# KiCad board processed.kicad_pcb
title: BMS slave Prototype; rev: 1
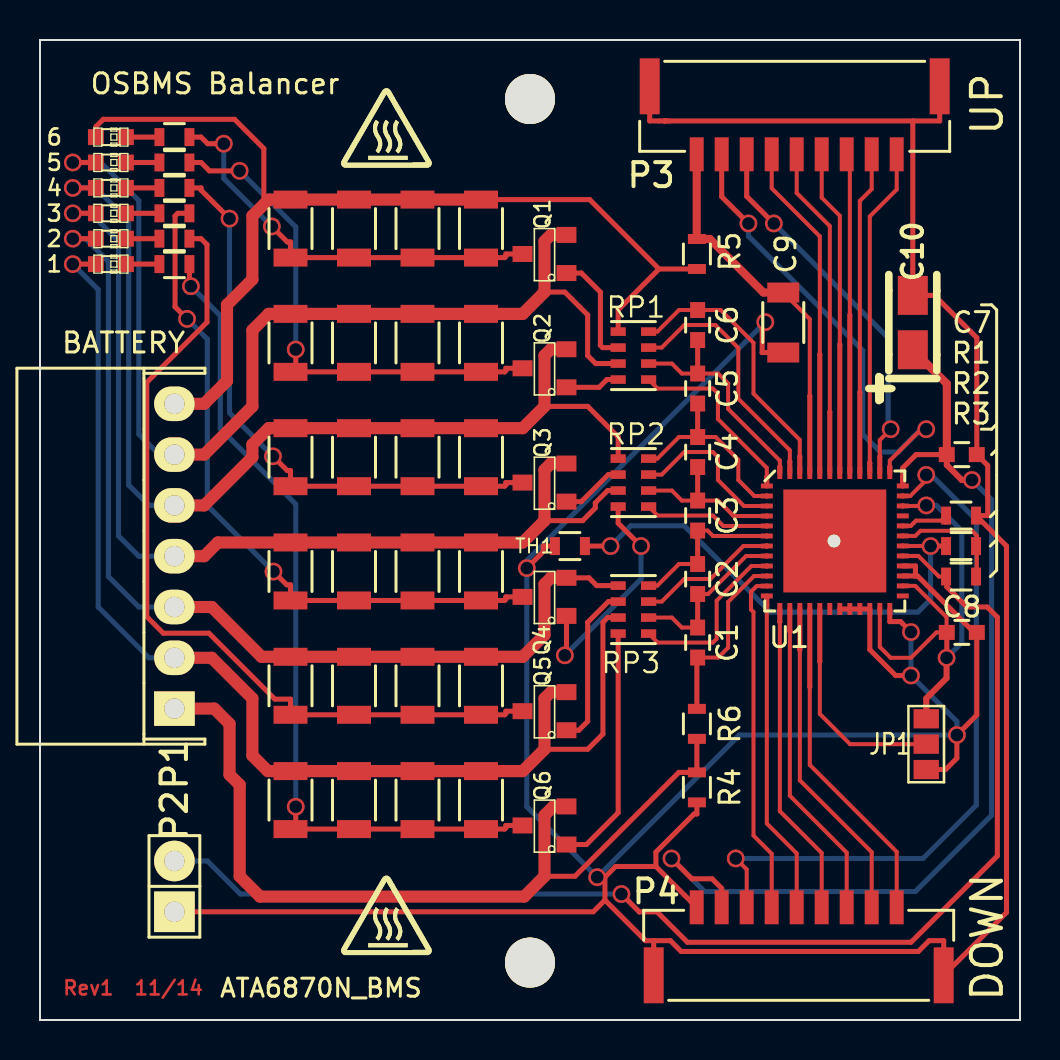
[diagram p0: board, top side]
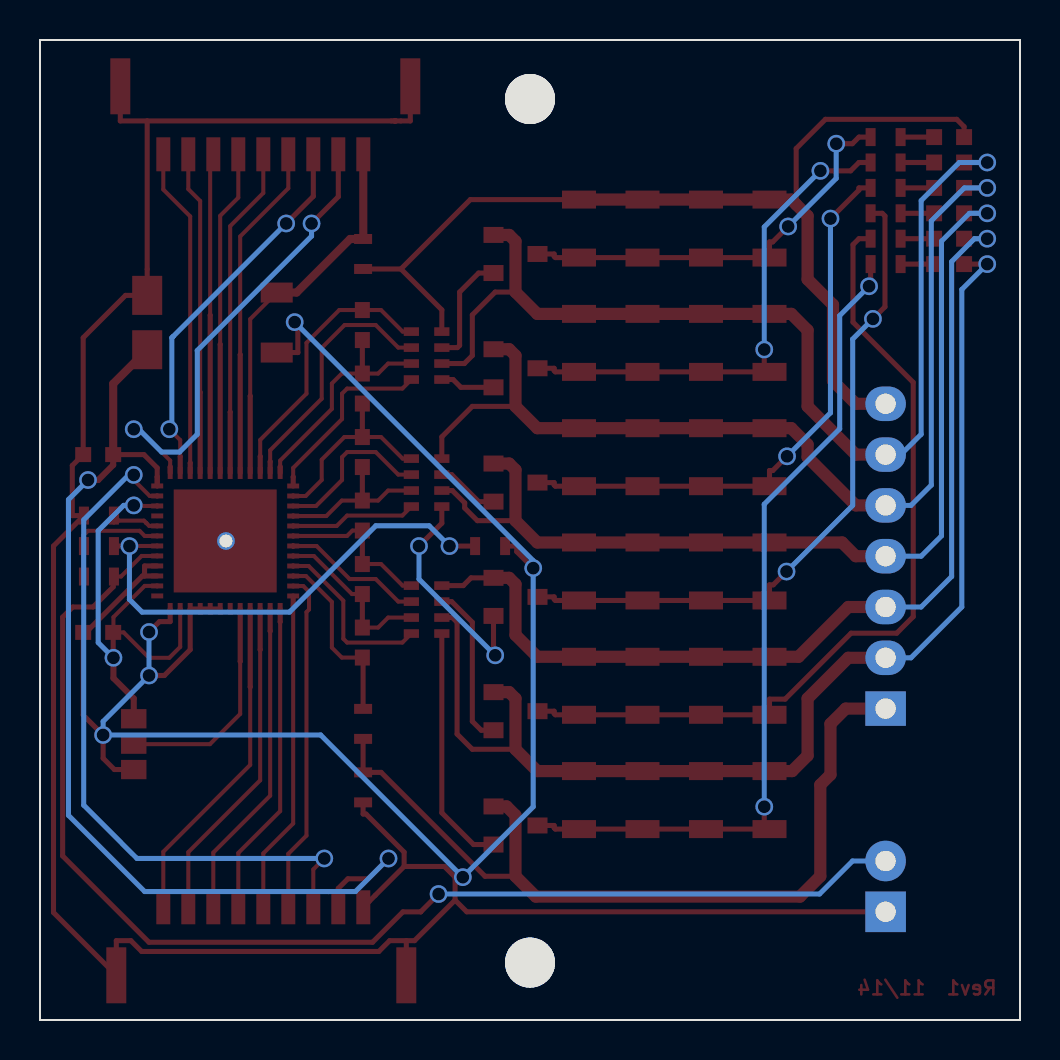
[diagram p1: board, bottom side, seen from below]

Outline 49 x 49 mm; copper layers: Top, Bottom. Coordinates in mm from the lower left corner of the outline.
Outline path: 0,49 49,49 49,0 0,0 0,49

## Placement (name value [footprint] x y rotation side)
28 mil Id via  via  [35-Od-28mil-Id-via]  39.7 23.95 0 top
C1  100nF  [C_0603]  32.88 18.87 270 top
C2  100nF  [C_0603]  32.88 22.05 270 top
C3  100nF  [C_0603]  32.88 25.22 270 top
C4  100nF  [C_0603]  32.88 28.4 270 top
C5  100nF  [C_0603]  32.88 31.57 270 top
C6  100nF  [C_0603]  32.88 34.75 270 top
C7  100nF  [C_0603]  46.09 28.27 0 top
C8  100nF  [C_0603]  46.09 19.38 0 top
C9  10uF PolC  [C_1206]  37.16 34.87 270 top
C10  33uF PolC  [TantalC_SizeA_EIA-3216_Reflow]  43.64 34.87 90 top
D1  LED  [LED-0603]  3.54 44.14 0 top
D2  LED  [LED-0603]  3.54 42.88 0 top
D3  LED  [LED-0603]  3.54 41.61 0 top
D4  LED  [LED-0603]  3.54 40.33 0 top
D5  LED  [LED-0603]  3.54 39.06 0 top
D6  LED  [LED-0603]  3.54 37.8 0 top
danger_hot_small  -  [danger_hot_small]  14.97 7.31 0 top
danger_hot_small_2  -  [danger_hot_small]  14.97 46.69 0 top
JP1  JUMPER3  [GS3]  44.31 13.79 0 top
MH  MountingHole_2-5mm_RevA_Date21Jun2010  [MountingHole_2-5mm]  24.5 46.05 0 top
MH_2  MountingHole_2-5mm_RevA_Date21Jun2010  [MountingHole_2-5mm]  24.5 2.87 0 top
P1  CONN_01X07  [Shrouded_Header_Angled_1x07]  6.72 23.19 90 top
P2  EXT-TMP  [Pin_Header_Straight_1x02]  6.72 6.68 90 top
P3  CONN_01X09  [Connector_SMD_GH_SIDECONN_1X9_1.25MM_45515711ND]  37.84 46.69 180 top
P4  CONN_01X09  [Connector_SMD_GH_SIDECONN_1X9_1.25MM_45515711ND]  37.84 2.24 0 top
P5  CONN_01X01  [1Pin]  39.7 23.95 0 bottom
Q1  BSS138  [SOT-23]  25.22 38.3 90 top
Q2  BSS138  [SOT-23]  25.22 32.59 90 top
Q3  BSS138  [SOT-23]  25.22 26.87 90 top
Q4  BSS138  [SOT-23]  25.22 21.16 90 top
Q5  BSS138  [SOT-23]  25.22 15.44 90 top
Q6  BSS138  [SOT-23]  25.22 9.73 90 top
R1  121KΩ  [R_0603]  46.05 25.22 180 top
R2  10KΩ  [R_0603]  46.05 23.7 180 top
R3  10KΩ  [R_0603]  46.05 22.17 180 top
R4  10Ω  [R_0603]  32.84 11.63 90 top
R5  10Ω  [R_0603]  32.84 38.3 270 top
R6  1K  [R_0603]  32.84 14.81 270 top
R7  100Ω  [R_0603]  6.72 37.8 180 top
R8  100Ω  [R_0603]  6.72 39.06 180 top
R9  100Ω  [R_0603]  6.72 40.33 180 top
R10  100Ω  [R_0603]  6.72 41.61 180 top
R11  100Ω  [R_0603]  6.72 42.88 180 top
R12  100Ω  [R_0603]  6.72 44.14 180 top
R13  82.5Ω  [R_1206]  12.53 22.43 270 top
R20  82.5Ω  [R_1206]  15.7 39.57 270 top
R21  82.5Ω  [R_1206]  12.53 39.57 270 top
R22  82.5Ω  [R_1206]  22.05 39.57 270 top
R23  82.5Ω  [R_1206]  18.88 39.57 270 top
R24  82.5Ω  [R_1206]  12.53 33.86 270 top
R25  82.5Ω  [R_1206]  15.7 33.86 270 top
R26  82.5Ω  [R_1206]  18.88 33.86 270 top
R27  82.5Ω  [R_1206]  22.05 33.86 270 top
R28  82.5Ω  [R_1206]  18.88 28.14 270 top
R29  82.5Ω  [R_1206]  22.05 28.14 270 top
R30  82.5Ω  [R_1206]  15.7 28.14 270 top
R31  82.5Ω  [R_1206]  12.53 28.14 270 top
R32  82.5Ω  [R_1206]  22.05 22.43 270 top
R33  82.5Ω  [R_1206]  18.88 22.43 270 top
R34  82.5Ω  [R_1206]  15.7 22.43 270 top
R35  82.5Ω  [R_1206]  22.05 16.71 270 top
R36  82.5Ω  [R_1206]  12.53 16.71 270 top
R37  82.5Ω  [R_1206]  15.7 16.71 270 top
R38  82.5Ω  [R_1206]  18.88 16.71 270 top
R39  82.5Ω  [R_1206]  18.88 11 270 top
R40  82.5Ω  [R_1206]  22.05 11 270 top
R41  82.5Ω  [R_1206]  15.7 11 270 top
R42  82.5Ω  [R_1206]  12.53 11 270 top
RP1  1K_PACK  [R_Cat16-4]  29.67 33.22 180 top
RP2  1K_PACK  [R_Cat16-4]  29.67 26.87 180 top
RP3  1K_PACK  [R_Cat16-4]  29.67 20.52 180 top
TH1  THERMISTOR  [R_0603]  26.5 23.7 180 top
U1  ATA6870N_BMS  [QFN-48-1EP-refined]  39.74 23.95 0 top

## Footprints (pads in the part's own frame, mm; a bottom-side part is the same pattern mirrored in y, then rotated)
35-Od-28mil-Id-via
  round 0.889 hole 0.635: 1(0,0)
C_0603
  rect 0.8x0.75 smd: 1(-0.75,0) 2(0.75,0)
C_1206
  rect 1x1.6 smd: 1(-1.5,0) 2(1.5,0)
Connector_SMD_GH_SIDECONN_1X9_1.25MM_45515711ND
  rect 1x2.8 smd: (-7.15,0) (7.35,0)
  rect 0.7x1.7 smd: 1(-5,3.4) 2(-3.75,3.4) 3(-2.5,3.4) 4(-1.25,3.4) 5(0,3.4) 6(1.25,3.4) 7(2.5,3.4) 8(3.75,3.4) 9(5,3.4)
GS3
  rect 1.27x0.965 smd: 1(0,1.27) 2(0,0) 3(0,-1.27)
LED-0603
  rect 0.798x0.798 smd: 1(-0.749,0) 2(0.749,0)
MountingHole_2-5mm
  round 2.499 hole 2.499: 1(0,0)
Pin_Header_Straight_1x02
  rect 2.032x2.032 hole 1.016: 1(-1.27,0)
  oval 2.032x2.032 hole 1.016: 2(1.27,0)
QFN-48-1EP-refined
  rect 1.7x1.7 smd: (-1.27,1.27) (-1.27,-1.27) (1.27,1.27) (1.27,-1.27)
  rect 0.599x0.249 smd: 1(-3.399,2.748) 2(-3.399,2.248) 3(-3.399,1.748) 4(-3.399,1.247) 5(-3.399,0.749) 6(-3.399,0.249) 7(-3.399,-0.251) 8(-3.399,-0.752) 9(-3.399,-1.252) 10(-3.399,-1.753) 11(-3.399,-2.253) 12(-3.399,-2.751) 25(3.399,-2.748) 26(3.401,-2.248) 27(3.401,-1.75) 28(3.401,-1.25) 29(3.401,-0.749) 30(3.401,-0.249) 31(3.401,0.251) 32(3.401,0.752) 33(3.399,1.252) 34(3.399,1.75) 35(3.399,2.25) 36(3.399,2.751)
  rect 0.249x0.599 smd: 13(-2.748,-3.401) 14(-2.248,-3.401) 15(-1.748,-3.401) 16(-1.25,-3.401) 17(-0.749,-3.401) 18(-0.25,-3.4) 19(0.249,-3.401) 20(0.749,-3.401) 21(1.25,-3.401) 22(1.75,-3.401) 23(2.25,-3.401) 24(2.751,-3.401) 37(2.751,3.399) 38(2.25,3.399) 39(1.75,3.399) 40(1.252,3.399) 41(0.752,3.399) 42(0.251,3.399) 43(-0.249,3.399) 44(-0.749,3.399) 45(-1.25,3.399) 46(-1.75,3.399) 47(-2.248,3.399) 48(-2.748,3.399)
  rect 5.15x5.15 smd: 49(0,0)
R_0603
  rect 0.5x0.9 smd: 1(-0.75,0) 2(0.75,0)
R_1206
  rect 0.9x1.7 smd: 1(-1.45,0) 2(1.45,0)
R_Cat16-4
  rect 0.762x0.432 smd: 1(0.762,-1.199) 2(0.762,-0.399) 3(0.762,0.399) 4(0.762,1.199) 5(-0.762,1.199) 6(-0.762,0.399) 7(-0.762,-0.399) 8(-0.762,-1.199)
Shrouded_Header_Angled_1x07
  rect 1.727x2.032 hole 1.016: 1(-7.62,0)
  oval 1.727x2.032 hole 1.016: 2(-5.08,0) 3(-2.54,0) 4(0,0) 5(2.54,0) 6(5.08,0) 7(7.62,0)
SOT-23
  rect 0.8x1.001 smd: 1(-0.953,-1.1) 2(0.953,-1.1) 3(0,1.1)
TantalC_SizeA_EIA-3216_Reflow
  rect 1.951x1.501 smd: 1(-1.359,0) 2(1.359,0)

## Nets
+3.3V: C7.1 C10.1 P4.2 U1.36
GND: C7.2 C8.2 C9.2 C10.2 JP1.3 P2.1 P3. P4. P4.1 R1.1 R4.1 TH1.2 U1.19 U1.20 U1.21 U1.22 U1.24 U1.27 U1.28
+BATT: C9.1 P3.9 R5.1 U1.45
/DISCH1: RP3.5 U1.9
/DISCH2: RP3.7 U1.7
/DISCH3: RP2.5 U1.5
/DISCH4: RP2.7 U1.3
/DISCH5: RP1.5 U1.1
/DISCH6: RP1.7 U1.47
ThermalGnd: 28 mil Id via.1 U1.49
Net-(C1-Pad1): C1.1 C2.2 RP3.6 U1.8
Net-(C1-Pad2): C1.2 R6.1 U1.10
Net-(C2-Pad1): C2.1 C3.2 RP3.8 U1.6
Net-(C3-Pad1): C3.1 C4.2 RP2.6 U1.4
Net-(C4-Pad1): C4.1 C5.2 RP2.8 U1.2
Net-(C5-Pad1): C5.1 C6.2 RP1.6 U1.48
Net-(C6-Pad1): C6.1 RP1.8 U1.46
Net-(C8-Pad1): C8.1 JP1.1 U1.23 U1.26 U1.34
Net-(D1-Pad1): D1.1 P1.7 R5.2 R20.1 R21.1 R22.1 R23.1 RP1.1
Net-(D1-Pad2): D1.2 R12.2
Net-(D2-Pad1): D2.1 P1.6 Q1.2 R24.1 R25.1 R26.1 R27.1 RP1.3
Net-(D2-Pad2): D2.2 R11.2
Net-(D3-Pad1): D3.1 P1.5 Q2.2 R28.1 R29.1 R30.1 R31.1 RP2.1
Net-(D3-Pad2): D3.2 R10.2
Net-(D4-Pad1): D4.1 P1.4 Q3.2 R13.1 R32.1 R33.1 R34.1 RP2.3
Net-(D4-Pad2): D4.2 R9.2
Net-(D5-Pad1): D5.1 P1.3 Q4.2 R35.1 R36.1 R37.1 R38.1 RP3.1
Net-(D5-Pad2): D5.2 R8.2
Net-(D6-Pad1): D6.1 P1.2 Q5.2 R39.1 R40.1 R41.1 R42.1 RP3.3
Net-(D6-Pad2): D6.2 R7.2
Net-(JP1-Pad2): JP1.2 U1.17
Net-(P1-Pad1): P1.1 Q6.2 R4.2 R6.2
Net-(P2-Pad2): P2.2 R3.2 U1.29
Net-(P3-Pad1): P3.1 U1.39
Net-(P3-Pad2): P3.2 U1.40
Net-(P3-Pad3): P3.3 U1.41
Net-(P3-Pad4): P3.4 U1.42
Net-(P3-Pad5): P3.5 U1.43
Net-(P3-Pad6): P3.6 U1.44
Net-(P3-Pad7): P3.7 U1.38
Net-(P3-Pad8): P3.8 U1.37
Net-(P4-Pad3): P4.3 U1.35
Net-(P4-Pad4): P4.4 U1.11
Net-(P4-Pad5): P4.5 U1.12
Net-(P4-Pad6): P4.6 U1.13
Net-(P4-Pad7): P4.7 U1.14
Net-(P4-Pad8): P4.8 U1.15
Net-(P4-Pad9): P4.9 U1.16
Net-(Q1-Pad1): Q1.1 RP1.2
Net-(Q1-Pad3): Q1.3 R12.1 R20.2 R21.2 R22.2 R23.2
Net-(Q2-Pad1): Q2.1 RP1.4
Net-(Q2-Pad3): Q2.3 R11.1 R24.2 R25.2 R26.2 R27.2
Net-(Q3-Pad1): Q3.1 RP2.2
Net-(Q3-Pad3): Q3.3 R10.1 R28.2 R29.2 R30.2 R31.2
Net-(Q4-Pad1): Q4.1 RP2.4
Net-(Q4-Pad3): Q4.3 R9.1 R13.2 R32.2 R33.2 R34.2
Net-(Q5-Pad1): Q5.1 RP3.2
Net-(Q5-Pad3): Q5.3 R8.1 R35.2 R36.2 R37.2 R38.2
Net-(Q6-Pad1): Q6.1 RP3.4
Net-(Q6-Pad3): Q6.3 R7.1 R39.2 R40.2 R41.2 R42.2
Net-(R1-Pad2): R1.2 U1.32
Net-(R2-Pad1): R2.1 R3.1 U1.31
Net-(R2-Pad2): R2.2 TH1.1 U1.30

Pads without a net: MH 1; MH_2 1; U1 18 25 33

## Via types
v1: diameter 0.889, hole 0.635, Top to Bottom, 36 vias

## Routing (per net, layer and track width the routed paths; a pad name or vN(x,y) marks a point on that pad's centre or on a via; arc(x,y) is an arc through that point)
+3.3V: length 51.5
  Top w0.254: P4.2 34.09,6.58 33.61,7.06 32.59,7.06 v1(31.57,8.07) ; 43.14,27.15 43.14,27.61 43.8,28.27 C7.1 ; 43.14,27.15 43.14,27.15 U1.36 ; 43.14,27.15 43.14,26.7 ; 43.64,33.51 C10.1
  Top w0.305: v1(46.6,27) 46.09,27 45.34,27.75 C7.1
  Top w0.406: 43.64,33.51 45.34,31.81 C7.1
  Bottom w0.254: 34.56,6.42 33.23,6.42 v1(31.57,8.07) ; 34.56,6.42 34.62,6.42 ; 34.56,6.42 34.62,6.42 ; 46.6,26.96 v1(46.6,27) 47.58,26.02 47.58,10.23 43.77,6.42 34.62,6.42
GND: length 208.5
  Top w0.254: JP1.3 45.28,12.52 45.84,13.09 v1(45.84,14.25) 46.84,15.25 C8.2 46.7,19.38 43.88,22.2 43.77,22.2 ; U1.24 42.49,19.92 43.03,19.92 v1(43.55,19.4) ; C9.2 36.11,33.37 36.11,33.37 36.11,34.74 v1(36.27,34.89) ; R4.1 32.84,10.3 32.7,10.3 30.79,8.39 30.79,7.68 ; 30.69,2.24 30.69,3.97 ; 30.69,3.97 30.27,3.97 28.25,5.99 ; 30.69,3.97 31.52,3.97 32.06,3.43 43.92,3.43 44.46,3.97 45.19,3.97 45.19,2.24 48.33,5.38 48.33,23.7 R1.1 47.39,25.22 47.39,27.72 C7.2 46.84,34.11 44.72,36.23 C10.2 43.64,44.95 ; P4.1 30.79,7.68 ; P2.1 27.66,5.41 28.25,5.99 ; U1.28 43.77,22.7 43.77,22.2 ; 28.25,5.99 28.25,7.14 ; 30.79,7.68 28.78,7.68 28.25,7.14 ; v1(43.55,17.22) 42.78,17.22 41.49,18.52 U1.22 U1.21 U1.20 U1.19 ; 43.77,22.2 U1.27 ; v1(24.34,22.59) 25.16,23.42 25.16,23.7 TH1.2 ; 43.64,44.95 44.99,44.95 44.99,46.69 ; 43.64,44.95 30.49,44.95 30.49,46.69 ; 28.25,7.14 v1(27.86,7.14)
  Bottom w0.254: v1(43.55,19.4) v1(43.55,17.22) 45.84,14.93 v1(45.84,14.25) 34.97,14.25 v1(27.86,7.14) 24.34,10.66 v1(24.34,22.59) 24.34,22.97 v1(36.27,34.89)
+BATT: length 23.1
  Top w0.203: C9.1 38.49,35.05 38.49,27.35
  Top w0.254: 38.49,31.2 U1.45
  Top w0.406: C9.1 36.17,36.37 33.49,39.05 R5.1 32.84,39.06 P3.9
/DISCH1: length 8.8
  Top w0.203: RP3.5 30.88,18.87 33.64,18.87 33.83,19.06 33.83,20.97 35.57,22.7 36.34,22.7
  Top w0.254: 36.34,22.7 U1.9
/DISCH2: length 7.1
  Top w0.203: 36.34,23.7 36.34,23.7 35.17,23.7 33.52,22.05 32.21,22.05 31.09,20.92 RP3.7
  Top w0.254: 36.34,23.7 U1.7
/DISCH3: length 6.3
  Top w0.203: 36.34,24.7 34.16,24.7 33.64,25.22 30.88,25.22 RP2.5
  Top w0.254: 36.34,24.7 U1.5
/DISCH4: length 8.2
  Top w0.203: RP2.7 31.09,27.27 32.21,28.4 33.64,28.4 33.9,28.14 33.9,27 35.2,25.7 36.34,25.7
  Top w0.254: 36.34,25.7 U1.3
/DISCH5: length 9.8
  Top w0.203: RP1.5 30.88,31.57 33.64,31.57 33.9,31.32 33.9,30.05 36.34,27.61 36.34,26.7
  Top w0.254: 36.34,27.15 36.34,27.15 U1.1
/DISCH6: length 13.3
  Top w0.203: RP1.7 31.09,33.62 32.21,34.75 33.77,34.75 34.91,33.6 34.91,31.06 37.49,28.49 37.49,27.35
  Top w0.254: 37.49,27.92 U1.47
ThermalGnd: length 0
  Top w0.254: 28 mil Id via.1 39.74,23.95 U1.49
Net-(C1-Pad1): length 8.6
  Top w0.203: 36.34,23.2 35.31,23.2 33.4,21.3 C2.2 ; C1.1 32.09,19.62 31.59,20.12 RP3.6
  Top w0.254: C1.1 C2.2 ; 36.34,23.2 U1.8
Net-(C1-Pad2): length 9.1
  Top w0.203: 36.34,22.2 35.7,22.2 34.41,20.9 34.41,18.62 33.91,18.12 C1.2
  Top w0.254: C1.2 32.84,18.09 R6.1 ; 36.34,22.2 U1.10
Net-(C2-Pad1): length 8.1
  Top w0.203: C3.2 33.38,24.47 33.65,24.2 36.34,24.2 ; C2.1 31.95,22.8 30.87,21.72 RP3.8
  Top w0.254: 36.34,24.2 U1.6 ; C2.1 C3.2
Net-(C3-Pad1): length 8.1
  Top w0.203: RP2.6 31.59,26.47 32.09,25.97 C3.1 33.91,25.97 34.68,25.2 36.34,25.2
  Top w0.254: 36.34,25.2 U1.4 ; C3.1 C4.2
Net-(C4-Pad1): length 9.8
  Top w0.203: 36.34,26.2 35.71,26.2 34.91,27 34.91,28.02 33.78,29.15 C4.1 31.95,29.15 30.87,28.07 RP2.8
  Top w0.254: C4.1 C5.2 ; 36.34,26.2 U1.2
Net-(C5-Pad1): length 11.9
  Top w0.203: 36.99,27.35 36.99,27.97 34.41,30.56 34.41,31.83 33.91,32.32 C5.1 32.09,32.32 31.59,32.82 RP1.6
  Top w0.254: C5.1 C6.2 ; 36.99,27.66 U1.48
Net-(C6-Pad1): length 14.7
  Top w0.203: RP1.8 30.87,34.42 31.95,35.5 C6.1 34.04,35.5 35.68,33.86 35.68,31.32 37.99,29 37.99,27.35
  Top w0.254: 37.99,28.18 U1.46
Net-(C8-Pad1): length 24.5
  Top w0.203: 41.99,20.55 U1.23 41.99,18.65 42.53,18.11 43.55,18.11 44.82,19.38 C8.1 45.33,19.39 45.33,20.14 43.77,21.7 U1.26 43.14,21.7 ; v1(44.31,25.73) 44.28,25.7 43.14,25.7
  Top w0.254: 43.14,25.7 U1.34 ; C8.1 45.34,18.12 v1(45.33,18.11)
  Top w0.305: v1(45.33,18.11) 45.33,17.09 44.31,16.08 JP1.1
  Bottom w0.254: v1(44.31,25.73) 44.82,25.73 46.09,24.46 46.09,18.87 v1(45.33,18.11)
Net-(D1-Pad1): length 53.1
  Top w0.203: 28.92,34.43 RP1.1
  Top w0.254: 30.95,37.55 28.91,35.51 RP1.1 ; 30.95,37.55 R5.2 ; 30.95,37.55 27.48,41.02 R22.1 ; 2.8,44.41 D1.1 2.8,44.41 ; 2.8,44.41 2.8,44.67 3.16,45.03 9.73,45.03 11.19,43.57 11.19,40.78
  Top w0.61: P1.7 8.21,30.81 9.35,31.95 9.35,35.76 10.62,37.03 10.62,40.21 11.19,40.78 11.44,41.02 12.07,41.02 ; R21.1 R20.1 R23.1 R22.1 ; R21.1 12.07,41.02 ; R21.1 12.07,41.02
Net-(D1-Pad2): length 1.7
  Top w0.254: D1.2 R12.2
Net-(D2-Pad1): length 53.4
  Top w0.254: RP1.3 27.78,32.82 27.38,33.22 27.38,35.25 26.24,36.4 25.22,36.4 ; D2.1 v1(1.64,42.88) ; Q1.2 26.32,39.25
  Top w0.61: 26.32,39.25 25.54,39.25 25.22,38.94 25.22,36.4 24.13,35.31 R27.1 R26.1 R25.1 R24.1 11.44,35.31 10.62,34.49 10.62,30.68 8.21,28.27 P1.6
  Bottom w0.254: P1.6 5.96,28.27 4.94,29.29 4.94,40.97 3.04,42.88 v1(1.64,42.88)
Net-(D2-Pad2): length 1.7
  Top w0.254: D2.2 R11.2
Net-(D3-Pad1): length 50.6
  Top w0.254: v1(1.64,41.61) D3.1 ; 25.22,30.68 27.38,30.68 28.91,29.16 RP2.1
  Top w0.61: P1.5 8.21,25.73 10.62,28.14 10.62,28.78 11.44,29.59 R31.1 R30.1 R28.1 R29.1 24.13,29.59 25.22,30.68 25.22,33.22 25.54,33.54 Q2.2
  Bottom w0.254: v1(1.64,41.61) 2.78,41.61 4.43,39.95 4.43,26.75 5.45,25.73 P1.5
Net-(D3-Pad2): length 1.7
  Top w0.254: D3.2 R10.2
Net-(D4-Pad1): length 49.5
  Top w0.254: RP2.3 28.38,26.47 27.76,25.85 27.76,25.6 27.13,24.97 25.22,24.97 ; v1(1.64,40.33) D4.1
  Top w0.61: Q3.2 25.54,27.82 25.22,27.51 25.22,24.97 24.13,23.88 R32.1 R33.1 R34.1 R13.1 ; R13.1 8.9,23.88 8.21,23.19 P1.4 ; R13.1 12.47,23.82
  Bottom w0.254: P1.4 4.94,23.19 3.93,24.21 3.93,38.94 2.53,40.33 v1(1.64,40.33)
Net-(D4-Pad2): length 1.7
  Top w0.254: D4.2 R9.2
Net-(D5-Pad1): length 49.6
  Top w0.254: D5.1 v1(1.64,39.06) ; RP3.1 27.84,21.72 27.45,22.11 Q4.2
  Top w0.61: P1.3 8.59,20.65 11.07,18.16 R36.1 R37.1 R38.1 R35.1 24.13,18.16 25.22,19.25 25.22,21.79 25.54,22.11 Q4.2
  Bottom w0.254: P1.3 4.94,20.65 3.42,22.17 3.42,37.92 2.28,39.06 v1(1.64,39.06)
Net-(D5-Pad2): length 1.7
  Top w0.254: D5.2 R8.2
Net-(D6-Pad1): length 60.1
  Top w0.254: 25.22,13.54 27.38,13.54 28.15,14.3 28.15,19.89 28.38,20.12 RP3.3 ; v1(1.64,37.8) D6.1 ; Q5.2 26.32,16.39
  Top w0.61: P1.2 8.59,18.11 10.62,16.08 10.62,13.22 11.39,12.45 R42.1 R41.1 R39.1 R40.1 24.13,12.45 25.22,13.54 25.22,16.08 25.54,16.39 26.32,16.39
  Bottom w0.254: P1.2 5.45,18.11 2.91,20.65 2.91,36.53 v1(1.64,37.8)
Net-(D6-Pad2): length 1.7
  Top w0.254: D6.2 R7.2
Net-(JP1-Pad2): length 13.8
  Top w0.203: 38.99,20.55 38.99,15.3 40.5,13.79 JP1.2
  Top w0.254: U1.17 38.99,17.93 38.99,17.93
Net-(P1-Pad1): length 42.8
  Top w0.254: R6.2 R4.2 31.94,12.38 26.75,7.19 25.22,7.19
  Top w0.61: P1.1 8.71,15.57 9.48,14.81 9.48,12.27 9.99,11.76 9.99,7.19 11,6.17 24.21,6.17 25.22,7.19 25.22,10.23 25.67,10.68 Q6.2
Net-(P2-Pad2): length 62.9
  Top w0.203: 43.14,23.2 43.92,23.2 44.95,22.17 45.34,22.17
  Top w0.254: 43.14,23.2 U1.29 ; 45.34,22.17 45.34,21.65 46.34,20.65 47.36,20.65 47.87,20.14 47.87,8.2 43.55,3.89 32.37,3.89 30.85,5.41 29.96,5.41 29.96,5.41 v1(29.07,6.3) ; R3.2 45.3,22.17
  Bottom w0.254: P2.2 8.37,7.95 10.02,6.3 v1(29.07,6.3)
Net-(P3-Pad1): length 17
  Top w0.203: 41.49,27.35 41.49,40.18 42.84,41.53 P3.1
  Top w0.254: 41.49,27.85 U1.39
Net-(P3-Pad2): length 20.2
  Top w0.203: 40.99,27.35 40.99,40.95 41.59,41.55 P3.2
  Top w0.254: 40.99,31.38 U1.40
Net-(P3-Pad3): length 23.9
  Top w0.203: 40.49,27.35 40.49,43.13 P3.3
  Top w0.254: 40.49,35.24 U1.41
Net-(P3-Pad4): length 22.7
  Top w0.203: 39.99,27.35 39.99,40.21 39.09,41.12 P3.4
  Top w0.254: 39.99,33.78 U1.42
Net-(P3-Pad5): length 19.7
  Top w0.203: P3.5 37.84,41.35 39.49,39.69 39.49,27.35
  Top w0.254: 39.49,30.4 U1.43
Net-(P3-Pad6): length 22.8
  Top w0.203: P3.6 36.59,41.58 38.99,39.18 38.99,27.35
  Top w0.254: U1.44 38.99,33.26 38.99,33.27
Net-(P3-Pad7): length 20.1
  Top w0.203: 41.99,27.35 41.99,29 v1(42.53,29.54)
  Top w0.254: v1(36.69,39.83) 35.34,41.18 P3.7 ; 41.99,28.17 U1.38
  Bottom w0.254: 42.34,34.18 42.41,34.11 ; 42.34,34.18 42.41,34.11 ; 42.34,34.18 v1(36.69,39.83) ; 42.41,34.11 42.41,29.67 v1(42.53,29.54)
Net-(P3-Pad8): length 24.3
  Top w0.203: v1(44.31,29.54) 44.06,29.54 42.49,27.97 42.49,27.35
  Top w0.254: v1(35.42,39.83) 34.09,41.16 P3.8 ; U1.37 42.49,27.66 42.49,27.66
  Bottom w0.254: v1(35.42,39.83) 35.42,39.19 41.14,33.48 41.14,29.29 42.03,28.4 42.91,28.4 44.06,29.54 v1(44.31,29.54)
Net-(P4-Pad3): length 35.3
  Top w0.203: v1(44.31,27.25) 44.31,27 43.51,26.2 43.14,26.2 ; P4.3 35.34,7.53 v1(34.79,8.08)
  Top w0.254: 43.14,26.2 U1.35
  Bottom w0.254: v1(34.79,8.08) 44.15,8.08 46.81,10.74 46.81,25 44.57,27.25 v1(44.31,27.25)
Net-(P4-Pad4): length 17.1
  Top w0.203: P4.4 36.59,8.31 35.68,9.22 35.68,20.4 35.55,20.52 35.55,21.41 35.84,21.7 36.34,21.7
  Top w0.254: 36.34,21.7 U1.11
Net-(P4-Pad5): length 16.7
  Top w0.203: P4.5 37.84,8.33 36.34,9.82 36.34,21.2
  Top w0.254: U1.12 36.34,20.71 36.34,20.71
Net-(P4-Pad6): length 16.4
  Top w0.203: 36.99,20.55 36.99,10.44 39.09,8.35 P4.6
  Top w0.254: 36.99,19.91 U1.13
Net-(P4-Pad7): length 17.2
  Top w0.203: P4.7 40.34,8.37 37.49,11.21 37.49,20.55
  Top w0.254: 37.49,19.44 U1.14
Net-(P4-Pad8): length 18.4
  Top w0.203: P4.8 41.59,8.39 37.99,11.98 37.99,20.55
  Top w0.254: 37.99,18.52 U1.15
Net-(P4-Pad9): length 20.6
  Top w0.203: P4.9 42.84,8.41 38.49,12.76 38.49,20.55
  Top w0.254: 38.49,16.65 U1.16
Net-(Q1-Pad1): length 5.7
  Top w0.254: RP1.2 28.13,33.62 28.02,33.73 28.02,36.4 27.07,37.35 Q1.1
Net-(Q1-Pad3): length 20.8
  Top w0.254: v1(9.19,43.81) 8.38,43.81 8.05,44.14 R12.1 ; v1(11.59,39.68) 12.37,38.9 12.53,38.9 R21.2 R20.2 R23.2 R22.2 23.23,38.12 23.29,38.18 23.29,38.3 Q1.3
  Bottom w0.254: v1(9.19,43.81) 9.19,42.08 v1(11.59,39.68)
Net-(Q2-Pad1): length 2.7
  Top w0.254: Q2.1 26.32,31.63 27.96,31.63 28.34,32.02 RP1.4
Net-(Q2-Pad3): length 25.6
  Top w0.254: R24.2 12.79,32.41 ; 12.79,32.41 R25.2 R26.2 R27.2 23.23,32.41 23.29,32.47 23.29,32.59 Q2.3 ; 12.79,32.41 v1(12.79,33.52) ; R11.1 8.05,42.88 8.47,42.46 v1(9.98,42.46)
  Bottom w0.254: v1(12.79,33.52) 12.79,39.65 v1(9.98,42.46)
Net-(Q3-Pad1): length 3.1
  Top w0.254: Q3.1 27.07,25.92 28.42,27.27 RP2.2
Net-(Q3-Pad3): length 29.2
  Top w0.254: Q3.3 23.29,26.87 23.29,26.75 23.23,26.69 R29.2 R28.2 R30.2 R31.2 12.53,27.47 12.36,27.47 v1(11.65,28.19) ; R10.1 8.05,41.61 8.05,41.5 v1(9.48,40.07)
  Bottom w0.254: v1(9.48,40.07) 9.48,30.36 v1(11.65,28.19)
Net-(Q4-Pad1): length 11.5
  Top w0.254: v1(26.24,18.24) 26.32,18.32 Q4.1 ; v1(30.05,23.7) 28.91,24.84 RP2.4
  Bottom w0.254: v1(30.05,23.7) 30.05,22.04 v1(26.24,18.24)
Net-(Q4-Pad3): length 34.2
  Top w0.254: v1(7.35,35.06) 6.75,35.66 6.75,40.2 6.89,40.33 R9.1 ; v1(11.67,22.42) 12.34,21.76 12.53,21.76 R13.2 R34.2 R33.2 R32.2 23.23,20.98 23.29,21.04 23.29,21.16 Q4.3
  Bottom w0.254: v1(11.67,22.42) 8.37,25.73 8.37,34.04 v1(7.35,35.06)
Net-(Q5-Pad1): length 8.1
  Top w0.254: Q5.1 26.94,14.49 27.38,14.93 27.38,19.89 28.42,20.92 RP3.2
Net-(Q5-Pad3): length 42.3
  Top w0.254: R8.1 8.05,39.06 8.35,38.77 8.35,34.89 5.34,31.88 5.34,20.17 6.16,19.34 8.44,19.34 11.74,16.04 12.53,16.04 12.53,15.26 23.23,15.26 23.29,15.32 23.29,15.44 Q5.3
Net-(Q6-Pad1): length 12.2
  Top w0.254: Q6.1 26.32,8.77 27.32,8.77 28.91,10.36 RP3.4
Net-(Q6-Pad3): length 42.2
  Top w0.254: 12.79,9.55 R42.2 ; 12.79,9.55 R41.2 R39.2 R40.2 23.23,9.55 23.29,9.61 23.29,9.73 Q6.3 ; 12.79,9.55 v1(12.79,10.66) ; R7.1 7.47,36.76 v1(7.55,36.69)
  Bottom w0.254: v1(7.55,36.69) 9.02,35.22 9.02,29.56 12.79,25.79 v1(12.79,10.66)
Net-(R1-Pad2): length 2.8
  Top w0.203: 43.68,24.84 43.7,24.87 ; 43.68,24.84 43.7,24.87 ; 43.68,24.84 43.54,24.7 U1.32 43.14,24.7 ; 43.7,24.87 43.8,24.97 45.05,24.97 R1.2 45.3,24.87
Net-(R2-Pad1): length 6
  Top w0.203: 43.14,24.2 U1.31 43.77,24.2 44.02,24.46 46.6,24.46 46.84,24.22 46.84,22.17
  Top w0.254: R2.1 46.84,23.7 ; R3.1 46.84,22.17 46.84,22.17
Net-(R2-Pad2): length 25.4
  Top w0.203: 43.14,23.7 U1.30 45.34,23.7 45.34,23.7
  Top w0.254: v1(44.53,23.7) R2.2 45.33,23.7 45.34,23.7 ; TH1.1 v1(28.53,23.7)
  Bottom w0.254: v1(44.53,23.7) 44.53,21.03 43.89,20.39 36.53,20.39 32.21,24.71 29.54,24.71 v1(28.53,23.7)

## Text on the board
Top: Rev1  11/14
F.SilkS: 6 | 5 | 4 | 3 | 2 | 1 | BATTERY | OSBMS Balancer | UP | DOWN
